# KiCad board F02-Func-Decoder-p.kicad_pcb (continued)
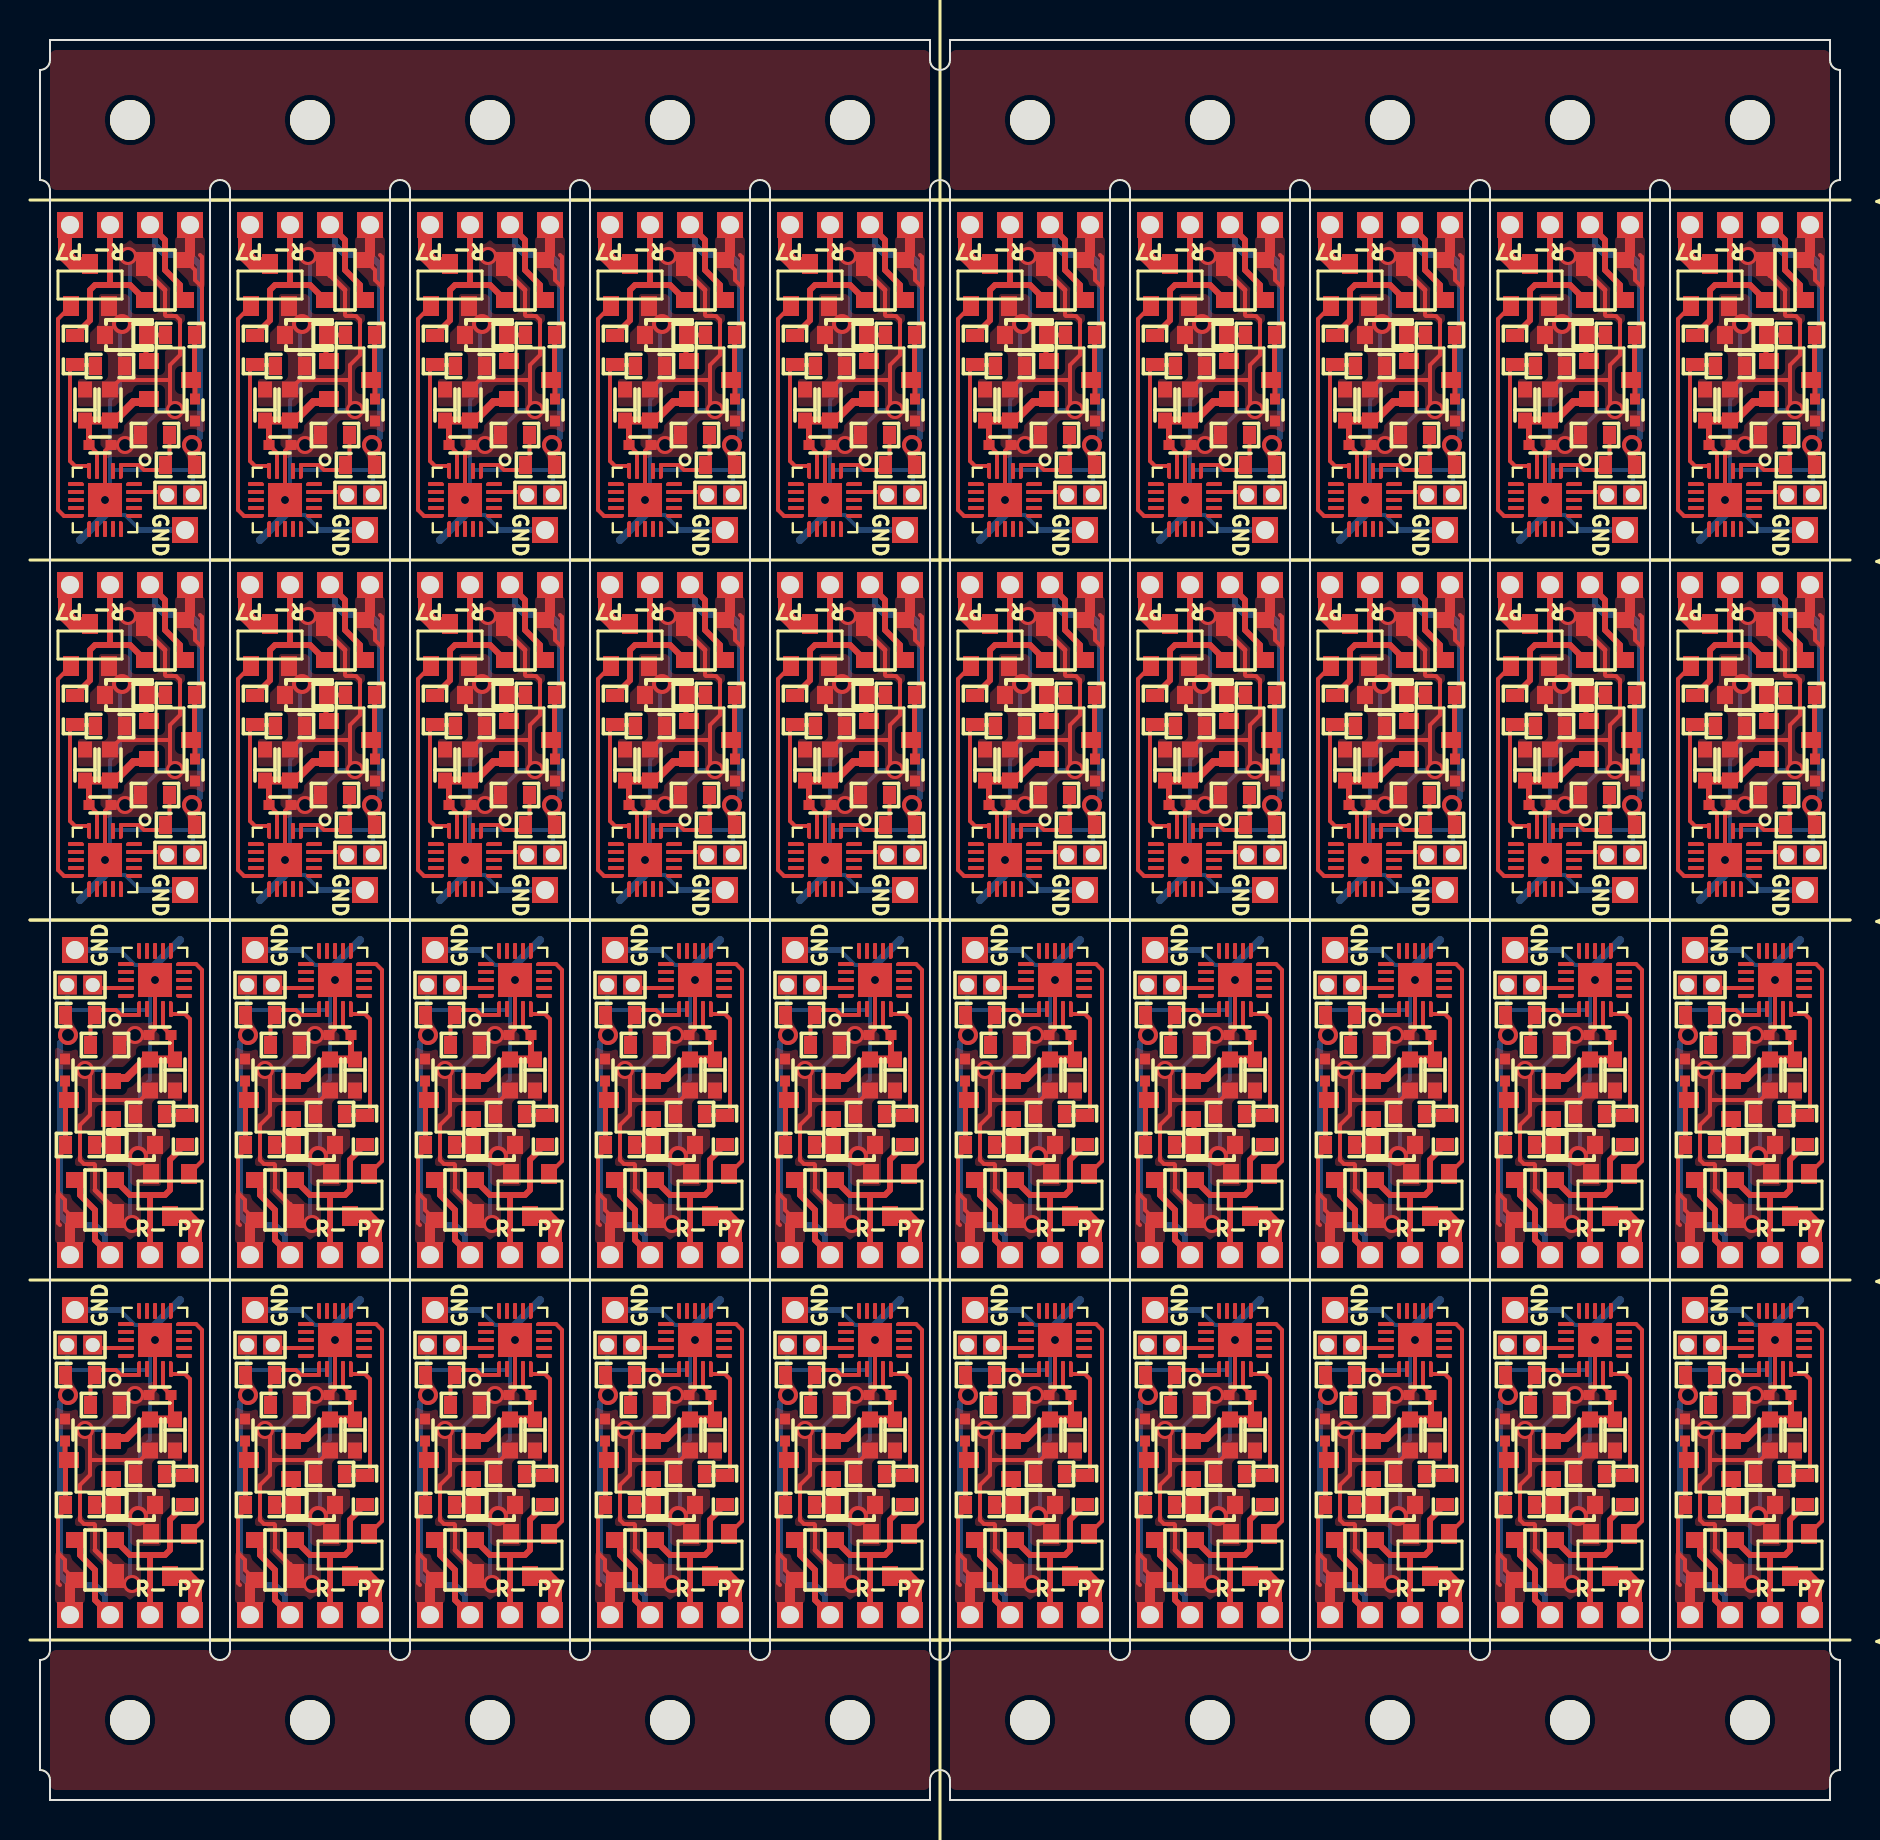
[diagram p0: board, top side]
## Placement (name value [footprint] x y rotation side) (continued)
P3#23  PAD  [PAD_1.3x1.3_Hole0.9]  19.5 27.25 270 top
P3#24  PAD  [PAD_1.3x1.3_Hole0.9]  64.5 9.25 270 top
P3#25  PAD  [PAD_1.3x1.3_Hole0.9]  88.5 60.75 90 top
P3#26  PAD  [PAD_1.3x1.3_Hole0.9]  73.5 9.25 270 top
P3#27  PAD  [PAD_1.3x1.3_Hole0.9]  55.5 27.25 270 top
P3#28  PAD  [PAD_1.3x1.3_Hole0.9]  70.5 78.75 90 top
P3#29  PAD  [PAD_1.3x1.3_Hole0.9]  1.5 9.25 270 top
P3#30  PAD  [PAD_1.3x1.3_Hole0.9]  46.5 9.25 270 top
P3#31  PAD  [PAD_1.3x1.3_Hole0.9]  1.5 27.25 270 top
P3#32  PAD  [PAD_1.3x1.3_Hole0.9]  61.5 60.75 90 top
P3#33  PAD  [PAD_1.3x1.3_Hole0.9]  88.5 78.75 90 top
P3#34  PAD  [PAD_1.3x1.3_Hole0.9]  61.5 78.75 90 top
P3#35  PAD  [PAD_1.3x1.3_Hole0.9]  25.5 78.75 90 top
P3#36  PAD  [PAD_1.3x1.3_Hole0.9]  25.5 60.75 90 top
P3#37  PAD  [PAD_1.3x1.3_Hole0.9]  19.5 9.25 270 top
P3#38  PAD  [PAD_1.3x1.3_Hole0.9]  34.5 78.75 90 top
P3#39  PAD  [PAD_1.3x1.3_Hole0.9]  52.5 78.75 90 top
P3#40  PAD  [PAD_1.3x1.3_Hole0.9]  55.5 9.25 270 top
P4  PAD  [PAD_1.3x1.3_Hole0.9]  19.75 42.5 90 top
P4#2  PAD  [PAD_1.3x1.3_Hole0.9]  37.75 24.5 90 top
P4#3  PAD  [PAD_1.3x1.3_Hole0.9]  16.25 45.5 270 top
P4#4  PAD  [PAD_1.3x1.3_Hole0.9]  61.25 63.5 270 top
P4#5  PAD  [PAD_1.3x1.3_Hole0.9]  82.75 24.5 90 top
P4#6  PAD  [PAD_1.3x1.3_Hole0.9]  70.25 63.5 270 top
P4#7  PAD  [PAD_1.3x1.3_Hole0.9]  79.25 63.5 270 top
P4#8  PAD  [PAD_1.3x1.3_Hole0.9]  43.25 63.5 270 top
P4#9  PAD  [PAD_1.3x1.3_Hole0.9]  19.75 24.5 90 top
P4#10  PAD  [PAD_1.3x1.3_Hole0.9]  10.75 24.5 90 top
P4#11  PAD  [PAD_1.3x1.3_Hole0.9]  46.75 42.5 90 top
P4#12  PAD  [PAD_1.3x1.3_Hole0.9]  82.75 42.5 90 top
P4#13  PAD  [PAD_1.3x1.3_Hole0.9]  61.25 45.5 270 top
P4#14  PAD  [PAD_1.3x1.3_Hole0.9]  28.75 42.5 90 top
P4#15  PAD  [PAD_1.3x1.3_Hole0.9]  88.25 63.5 270 top
P4#16  PAD  [PAD_1.3x1.3_Hole0.9]  25.25 45.5 270 top
P4#17  PAD  [PAD_1.3x1.3_Hole0.9]  73.75 42.5 90 top
P4#18  PAD  [PAD_1.3x1.3_Hole0.9]  52.25 63.5 270 top
P4#19  PAD  [PAD_1.3x1.3_Hole0.9]  55.75 24.5 90 top
P4#20  PAD  [PAD_1.3x1.3_Hole0.9]  25.25 63.5 270 top
P4#21  PAD  [PAD_1.3x1.3_Hole0.9]  43.25 45.5 270 top
P4#22  PAD  [PAD_1.3x1.3_Hole0.9]  7.25 63.5 270 top
P4#23  PAD  [PAD_1.3x1.3_Hole0.9]  28.75 24.5 90 top
P4#24  PAD  [PAD_1.3x1.3_Hole0.9]  10.75 42.5 90 top
P4#25  PAD  [PAD_1.3x1.3_Hole0.9]  46.75 24.5 90 top
P4#26  PAD  [PAD_1.3x1.3_Hole0.9]  7.25 45.5 270 top
P4#27  PAD  [PAD_1.3x1.3_Hole0.9]  1.75 42.5 90 top
P4#28  PAD  [PAD_1.3x1.3_Hole0.9]  88.25 45.5 270 top
P4#29  PAD  [PAD_1.3x1.3_Hole0.9]  70.25 45.5 270 top
P4#30  PAD  [PAD_1.3x1.3_Hole0.9]  16.25 63.5 270 top
P4#31  PAD  [PAD_1.3x1.3_Hole0.9]  73.75 24.5 90 top
P4#32  PAD  [PAD_1.3x1.3_Hole0.9]  37.75 42.5 90 top
P4#33  PAD  [PAD_1.3x1.3_Hole0.9]  64.75 42.5 90 top
P4#34  PAD  [PAD_1.3x1.3_Hole0.9]  34.25 45.5 270 top
P4#35  PAD  [PAD_1.3x1.3_Hole0.9]  34.25 63.5 270 top
P4#36  PAD  [PAD_1.3x1.3_Hole0.9]  55.75 42.5 90 top
P4#37  PAD  [PAD_1.3x1.3_Hole0.9]  52.25 45.5 270 top
P4#38  PAD  [PAD_1.3x1.3_Hole0.9]  1.75 24.5 90 top
P4#39  PAD  [PAD_1.3x1.3_Hole0.9]  79.25 45.5 270 top
P4#40  PAD  [PAD_1.3x1.3_Hole0.9]  64.75 24.5 90 top
P5  PROG  [PAD_PROG_2PIN_HOLE0.7]  83 40.75 180 top
P5#2  PROG  [PAD_PROG_2PIN_HOLE0.7]  47 40.75 180 top
P5#3  PROG  [PAD_PROG_2PIN_HOLE0.7]  16 47.25 0 top
P5#4  PROG  [PAD_PROG_2PIN_HOLE0.7]  25 47.25 0 top
P5#5  PROG  [PAD_PROG_2PIN_HOLE0.7]  2 40.75 180 top
P5#6  PROG  [PAD_PROG_2PIN_HOLE0.7]  74 22.75 180 top
P5#7  PROG  [PAD_PROG_2PIN_HOLE0.7]  56 40.75 180 top
P5#8  PROG  [PAD_PROG_2PIN_HOLE0.7]  34 65.25 0 top
P5#9  PROG  [PAD_PROG_2PIN_HOLE0.7]  11 22.75 180 top
P5#10  PROG  [PAD_PROG_2PIN_HOLE0.7]  38 40.75 180 top
P5#11  PROG  [PAD_PROG_2PIN_HOLE0.7]  11 40.75 180 top
P5#12  PROG  [PAD_PROG_2PIN_HOLE0.7]  25 65.25 0 top
P5#13  PROG  [PAD_PROG_2PIN_HOLE0.7]  16 65.25 0 top
P5#14  PROG  [PAD_PROG_2PIN_HOLE0.7]  38 22.75 180 top
P5#15  PROG  [PAD_PROG_2PIN_HOLE0.7]  52 65.25 0 top
P5#16  PROG  [PAD_PROG_2PIN_HOLE0.7]  88 65.25 0 top
P5#17  PROG  [PAD_PROG_2PIN_HOLE0.7]  20 22.75 180 top
P5#18  PROG  [PAD_PROG_2PIN_HOLE0.7]  52 47.25 0 top
P5#19  PROG  [PAD_PROG_2PIN_HOLE0.7]  65 22.75 180 top
P5#20  PROG  [PAD_PROG_2PIN_HOLE0.7]  79 47.25 0 top
P5#21  PROG  [PAD_PROG_2PIN_HOLE0.7]  7 65.25 0 top
P5#22  PROG  [PAD_PROG_2PIN_HOLE0.7]  61 47.25 0 top
P5#23  PROG  [PAD_PROG_2PIN_HOLE0.7]  83 22.75 180 top
P5#24  PROG  [PAD_PROG_2PIN_HOLE0.7]  56 22.75 180 top
P5#25  PROG  [PAD_PROG_2PIN_HOLE0.7]  43 65.25 0 top
P5#26  PROG  [PAD_PROG_2PIN_HOLE0.7]  34 47.25 0 top
P5#27  PROG  [PAD_PROG_2PIN_HOLE0.7]  65 40.75 180 top
P5#28  PROG  [PAD_PROG_2PIN_HOLE0.7]  61 65.25 0 top
P5#29  PROG  [PAD_PROG_2PIN_HOLE0.7]  79 65.25 0 top
P5#30  PROG  [PAD_PROG_2PIN_HOLE0.7]  29 40.75 180 top
P5#31  PROG  [PAD_PROG_2PIN_HOLE0.7]  20 40.75 180 top
P5#32  PROG  [PAD_PROG_2PIN_HOLE0.7]  88 47.25 0 top
P5#33  PROG  [PAD_PROG_2PIN_HOLE0.7]  74 40.75 180 top
P5#34  PROG  [PAD_PROG_2PIN_HOLE0.7]  7 47.25 0 top
P5#35  PROG  [PAD_PROG_2PIN_HOLE0.7]  70 65.25 0 top
P5#36  PROG  [PAD_PROG_2PIN_HOLE0.7]  47 22.75 180 top
P5#37  PROG  [PAD_PROG_2PIN_HOLE0.7]  2 22.75 180 top
P5#38  PROG  [PAD_PROG_2PIN_HOLE0.7]  70 47.25 0 top
P5#39  PROG  [PAD_PROG_2PIN_HOLE0.7]  29 22.75 180 top
P5#40  PROG  [PAD_PROG_2PIN_HOLE0.7]  43 47.25 0 top
Q1  2SC4116  [SOT-23]  74.5 17 90 top
Q1#2  2SC4116  [SOT-23]  69.5 53 270 top
Q1#3  2SC4116  [SOT-23]  20.5 35 90 top
Q1#4  2SC4116  [SOT-23]  65.5 17 90 top
Q1#5  2SC4116  [SOT-23]  15.5 53 270 top
Q1#6  2SC4116  [SOT-23]  60.5 53 270 top
Q1#7  2SC4116  [SOT-23]  11.5 35 90 top
Q1#8  2SC4116  [SOT-23]  15.5 71 270 top
Q1#9  2SC4116  [SOT-23]  78.5 71 270 top
Q1#10  2SC4116  [SOT-23]  74.5 35 90 top
Q1#11  2SC4116  [SOT-23]  2.5 35 90 top
Q1#12  2SC4116  [SOT-23]  47.5 17 90 top
Q1#13  2SC4116  [SOT-23]  11.5 17 90 top
Q1#14  2SC4116  [SOT-23]  56.5 35 90 top
Q1#15  2SC4116  [SOT-23]  38.5 35 90 top
Q1#16  2SC4116  [SOT-23]  42.5 53 270 top
Q1#17  2SC4116  [SOT-23]  33.5 71 270 top
Q1#18  2SC4116  [SOT-23]  56.5 17 90 top
Q1#19  2SC4116  [SOT-23]  42.5 71 270 top
Q1#20  2SC4116  [SOT-23]  87.5 71 270 top
Q1#21  2SC4116  [SOT-23]  47.5 35 90 top
Q1#22  2SC4116  [SOT-23]  29.5 17 90 top
Q1#23  2SC4116  [SOT-23]  33.5 53 270 top
Q1#24  2SC4116  [SOT-23]  24.5 53 270 top
Q1#25  2SC4116  [SOT-23]  69.5 71 270 top
Q1#26  2SC4116  [SOT-23]  78.5 53 270 top
Q1#27  2SC4116  [SOT-23]  2.5 17 90 top
Q1#28  2SC4116  [SOT-23]  87.5 53 270 top
Q1#29  2SC4116  [SOT-23]  83.5 35 90 top
Q1#30  2SC4116  [SOT-23]  29.5 35 90 top
Q1#31  2SC4116  [SOT-23]  51.5 53 270 top
Q1#32  2SC4116  [SOT-23]  65.5 35 90 top
Q1#33  2SC4116  [SOT-23]  38.5 17 90 top
Q1#34  2SC4116  [SOT-23]  60.5 71 270 top
Q1#35  2SC4116  [SOT-23]  83.5 17 90 top
Q1#36  2SC4116  [SOT-23]  20.5 17 90 top
Q1#37  2SC4116  [SOT-23]  6.5 71 270 top
Q1#38  2SC4116  [SOT-23]  24.5 71 270 top
Q1#39  2SC4116  [SOT-23]  6.5 53 270 top
Q1#40  2SC4116  [SOT-23]  51.5 71 270 top
Qe  SSM3K7002CFU  [SOT-23]  15.5 30.25 180 top
Qe#2  SSM3K7002CFU  [SOT-23]  65.5 75.75 0 top
Qe#3  SSM3K7002CFU  [SOT-23]  51.5 12.25 180 top
Qe#4  SSM3K7002CFU  [SOT-23]  33.5 12.25 180 top
Qe#5  SSM3K7002CFU  [SOT-23]  15.5 12.25 180 top
Qe#6  SSM3K7002CFU  [SOT-23]  69.5 30.25 180 top
Qe#7  SSM3K7002CFU  [SOT-23]  60.5 30.25 180 top
Qe#8  SSM3K7002CFU  [SOT-23]  29.5 57.75 0 top
Qe#9  SSM3K7002CFU  [SOT-23]  87.5 12.25 180 top
Qe#10  SSM3K7002CFU  [SOT-23]  11.5 75.75 0 top
Qe#11  SSM3K7002CFU  [SOT-23]  38.5 57.75 0 top
Qe#12  SSM3K7002CFU  [SOT-23]  74.5 75.75 0 top
Qe#13  SSM3K7002CFU  [SOT-23]  42.5 12.25 180 top
Qe#14  SSM3K7002CFU  [SOT-23]  11.5 57.75 0 top
Qe#15  SSM3K7002CFU  [SOT-23]  2.5 75.75 0 top
Qe#16  SSM3K7002CFU  [SOT-23]  78.5 30.25 180 top
Qe#17  SSM3K7002CFU  [SOT-23]  38.5 75.75 0 top
Qe#18  SSM3K7002CFU  [SOT-23]  24.5 12.25 180 top
Qe#19  SSM3K7002CFU  [SOT-23]  65.5 57.75 0 top
Qe#20  SSM3K7002CFU  [SOT-23]  20.5 75.75 0 top
Qe#21  SSM3K7002CFU  [SOT-23]  47.5 57.75 0 top
Qe#22  SSM3K7002CFU  [SOT-23]  42.5 30.25 180 top
Qe#23  SSM3K7002CFU  [SOT-23]  6.5 30.25 180 top
Qe#24  SSM3K7002CFU  [SOT-23]  20.5 57.75 0 top
Qe#25  SSM3K7002CFU  [SOT-23]  83.5 75.75 0 top
Qe#26  SSM3K7002CFU  [SOT-23]  83.5 57.75 0 top
Qe#27  SSM3K7002CFU  [SOT-23]  56.5 57.75 0 top
Qe#28  SSM3K7002CFU  [SOT-23]  87.5 30.25 180 top
Qe#29  SSM3K7002CFU  [SOT-23]  29.5 75.75 0 top
Qe#30  SSM3K7002CFU  [SOT-23]  69.5 12.25 180 top
Qe#31  SSM3K7002CFU  [SOT-23]  47.5 75.75 0 top
Qe#32  SSM3K7002CFU  [SOT-23]  2.5 57.75 0 top
Qe#33  SSM3K7002CFU  [SOT-23]  24.5 30.25 180 top
Qe#34  SSM3K7002CFU  [SOT-23]  6.5 12.25 180 top
Qe#35  SSM3K7002CFU  [SOT-23]  56.5 75.75 0 top
Qe#36  SSM3K7002CFU  [SOT-23]  78.5 12.25 180 top
Qe#37  SSM3K7002CFU  [SOT-23]  33.5 30.25 180 top
Qe#38  SSM3K7002CFU  [SOT-23]  74.5 57.75 0 top
Qe#39  SSM3K7002CFU  [SOT-23]  51.5 30.25 180 top
Qe#40  SSM3K7002CFU  [SOT-23]  60.5 12.25 180 top
R1  104  [R_1608_v3]  83 21.25 0 top
R1#2  104  [R_1608_v3]  38 21.25 0 top
R1#3  104  [R_1608_v3]  16 66.75 180 top
R1#4  104  [R_1608_v3]  25 48.75 180 top
R1#5  104  [R_1608_v3]  34 48.75 180 top
R1#6  104  [R_1608_v3]  56 21.25 0 top
R1#7  104  [R_1608_v3]  70 48.75 180 top
R1#8  104  [R_1608_v3]  11 21.25 0 top
R1#9  104  [R_1608_v3]  65 21.25 0 top
R1#10  104  [R_1608_v3]  70 66.75 180 top
R1#11  104  [R_1608_v3]  29 21.25 0 top
R1#12  104  [R_1608_v3]  65 39.25 0 top
R1#13  104  [R_1608_v3]  25 66.75 180 top
R1#14  104  [R_1608_v3]  38 39.25 0 top
R1#15  104  [R_1608_v3]  79 66.75 180 top
R1#16  104  [R_1608_v3]  74 39.25 0 top
R1#17  104  [R_1608_v3]  7 66.75 180 top
R1#18  104  [R_1608_v3]  43 66.75 180 top
R1#19  104  [R_1608_v3]  83 39.25 0 top
R1#20  104  [R_1608_v3]  52 48.75 180 top
R1#21  104  [R_1608_v3]  74 21.25 0 top
R1#22  104  [R_1608_v3]  79 48.75 180 top
R1#23  104  [R_1608_v3]  2 39.25 0 top
R1#24  104  [R_1608_v3]  52 66.75 180 top
R1#25  104  [R_1608_v3]  56 39.25 0 top
R1#26  104  [R_1608_v3]  61 66.75 180 top
R1#27  104  [R_1608_v3]  61 48.75 180 top
R1#28  104  [R_1608_v3]  88 66.75 180 top
R1#29  104  [R_1608_v3]  2 21.25 0 top
R1#30  104  [R_1608_v3]  47 21.25 0 top
R1#31  104  [R_1608_v3]  29 39.25 0 top
R1#32  104  [R_1608_v3]  47 39.25 0 top
R1#33  104  [R_1608_v3]  20 39.25 0 top
R1#34  104  [R_1608_v3]  88 48.75 180 top
R1#35  104  [R_1608_v3]  16 48.75 180 top
R1#36  104  [R_1608_v3]  11 39.25 0 top
R1#37  104  [R_1608_v3]  43 48.75 180 top
R1#38  104  [R_1608_v3]  20 21.25 0 top
R1#39  104  [R_1608_v3]  34 66.75 180 top
R1#40  104  [R_1608_v3]  7 48.75 180 top
R2  104  [R_1608_v3]  55.75 54.5 270 top
R2#2  104  [R_1608_v3]  16.25 33.5 90 top
R2#3  104  [R_1608_v3]  1.75 72.5 270 top
R2#4  104  [R_1608_v3]  88.25 15.5 90 top
R2#5  104  [R_1608_v3]  34.25 33.5 90 top
R2#6  104  [R_1608_v3]  64.75 54.5 270 top
R2#7  104  [R_1608_v3]  37.75 72.5 270 top
R2#8  104  [R_1608_v3]  52.25 15.5 90 top
R2#9  104  [R_1608_v3]  64.75 72.5 270 top
R2#10  104  [R_1608_v3]  46.75 72.5 270 top
R2#11  104  [R_1608_v3]  10.75 54.5 270 top
R2#12  104  [R_1608_v3]  52.25 33.5 90 top
R2#13  104  [R_1608_v3]  43.25 33.5 90 top
R2#14  104  [R_1608_v3]  61.25 15.5 90 top
R2#15  104  [R_1608_v3]  1.75 54.5 270 top
R2#16  104  [R_1608_v3]  7.25 15.5 90 top
R2#17  104  [R_1608_v3]  43.25 15.5 90 top
R2#18  104  [R_1608_v3]  28.75 72.5 270 top
R2#19  104  [R_1608_v3]  19.75 72.5 270 top
R2#20  104  [R_1608_v3]  79.25 15.5 90 top
R2#21  104  [R_1608_v3]  16.25 15.5 90 top
R2#22  104  [R_1608_v3]  46.75 54.5 270 top
R2#23  104  [R_1608_v3]  7.25 33.5 90 top
R2#24  104  [R_1608_v3]  34.25 15.5 90 top
R2#25  104  [R_1608_v3]  73.75 72.5 270 top
R2#26  104  [R_1608_v3]  73.75 54.5 270 top
R2#27  104  [R_1608_v3]  70.25 15.5 90 top
R2#28  104  [R_1608_v3]  55.75 72.5 270 top
R2#29  104  [R_1608_v3]  28.75 54.5 270 top
R2#30  104  [R_1608_v3]  25.25 15.5 90 top
R2#31  104  [R_1608_v3]  79.25 33.5 90 top
R2#32  104  [R_1608_v3]  19.75 54.5 270 top
R2#33  104  [R_1608_v3]  88.25 33.5 90 top
R2#34  104  [R_1608_v3]  25.25 33.5 90 top
R2#35  104  [R_1608_v3]  61.25 33.5 90 top
R2#36  104  [R_1608_v3]  82.75 72.5 270 top
R2#37  104  [R_1608_v3]  70.25 33.5 90 top
R2#38  104  [R_1608_v3]  37.75 54.5 270 top
R2#39  104  [R_1608_v3]  82.75 54.5 270 top
R2#40  104  [R_1608_v3]  10.75 72.5 270 top
R3  104  [R_1608_v3]  30.25 19.75 0 top
R3#2  104  [R_1608_v3]  86.75 50.25 180 top
R3#3  104  [R_1608_v3]  50.75 50.25 180 top
R3#4  104  [R_1608_v3]  21.25 37.75 0 top
R3#5  104  [R_1608_v3]  12.25 19.75 0 top
R3#6  104  [R_1608_v3]  68.75 68.25 180 top
R3#7  104  [R_1608_v3]  14.75 68.25 180 top
R3#8  104  [R_1608_v3]  75.25 37.75 0 top
R3#9  104  [R_1608_v3]  14.75 50.25 180 top
R3#10  104  [R_1608_v3]  57.25 19.75 0 top
R3#11  104  [R_1608_v3]  3.25 19.75 0 top
R3#12  104  [R_1608_v3]  59.75 68.25 180 top
R3#13  104  [R_1608_v3]  66.25 19.75 0 top
R3#14  104  [R_1608_v3]  32.75 50.25 180 top
R3#15  104  [R_1608_v3]  48.25 37.75 0 top
R3#16  104  [R_1608_v3]  23.75 68.25 180 top
R3#17  104  [R_1608_v3]  21.25 19.75 0 top
R3#18  104  [R_1608_v3]  68.75 50.25 180 top
R3#19  104  [R_1608_v3]  41.75 50.25 180 top
R3#20  104  [R_1608_v3]  75.25 19.75 0 top
R3#21  104  [R_1608_v3]  5.75 50.25 180 top
R3#22  104  [R_1608_v3]  77.75 68.25 180 top
R3#23  104  [R_1608_v3]  77.75 50.25 180 top
R3#24  104  [R_1608_v3]  5.75 68.25 180 top
R3#25  104  [R_1608_v3]  12.25 37.75 0 top
R3#26  104  [R_1608_v3]  84.25 37.75 0 top
R3#27  104  [R_1608_v3]  39.25 37.75 0 top
R3#28  104  [R_1608_v3]  50.75 68.25 180 top
R3#29  104  [R_1608_v3]  66.25 37.75 0 top
R3#30  104  [R_1608_v3]  86.75 68.25 180 top
R3#31  104  [R_1608_v3]  3.25 37.75 0 top
R3#32  104  [R_1608_v3]  23.75 50.25 180 top
R3#33  104  [R_1608_v3]  41.75 68.25 180 top
R3#34  104  [R_1608_v3]  48.25 19.75 0 top
R3#35  104  [R_1608_v3]  57.25 37.75 0 top
R3#36  104  [R_1608_v3]  59.75 50.25 180 top
R3#37  104  [R_1608_v3]  39.25 19.75 0 top
R3#38  104  [R_1608_v3]  32.75 68.25 180 top
R3#39  104  [R_1608_v3]  84.25 19.75 0 top
R3#40  104  [R_1608_v3]  30.25 37.75 0 top
R4  104  [R_1608_v3]  59.5 34.3 180 top
R4#2  104  [R_1608_v3]  12.5 53.7 0 top
R4#3  104  [R_1608_v3]  21.5 71.7 0 top
R4#4  104  [R_1608_v3]  32.5 16.3 180 top
R4#5  104  [R_1608_v3]  30.5 71.7 0 top
R4#6  104  [R_1608_v3]  5.5 16.3 180 top
R4#7  104  [R_1608_v3]  32.5 34.3 180 top
R4#8  104  [R_1608_v3]  30.5 53.7 0 top
R4#9  104  [R_1608_v3]  3.5 53.7 0 top
R4#10  104  [R_1608_v3]  57.5 71.7 0 top
R4#11  104  [R_1608_v3]  12.5 71.7 0 top
R4#12  104  [R_1608_v3]  66.5 71.7 0 top
R4#13  104  [R_1608_v3]  59.5 16.3 180 top
R4#14  104  [R_1608_v3]  57.5 53.7 0 top
R4#15  104  [R_1608_v3]  14.5 16.3 180 top
R4#16  104  [R_1608_v3]  21.5 53.7 0 top
R4#17  104  [R_1608_v3]  48.5 71.7 0 top
R4#18  104  [R_1608_v3]  86.5 34.3 180 top
R4#19  104  [R_1608_v3]  23.5 34.3 180 top
R4#20  104  [R_1608_v3]  5.5 34.3 180 top
R4#21  104  [R_1608_v3]  84.5 53.7 0 top
R4#22  104  [R_1608_v3]  75.5 53.7 0 top
R4#23  104  [R_1608_v3]  66.5 53.7 0 top
R4#24  104  [R_1608_v3]  68.5 34.3 180 top
R4#25  104  [R_1608_v3]  39.5 53.7 0 top
R4#26  104  [R_1608_v3]  75.5 71.7 0 top
R4#27  104  [R_1608_v3]  23.5 16.3 180 top
R4#28  104  [R_1608_v3]  14.5 34.3 180 top
R4#29  104  [R_1608_v3]  3.5 71.7 0 top
R4#30  104  [R_1608_v3]  50.5 34.3 180 top
R4#31  104  [R_1608_v3]  41.5 16.3 180 top
R4#32  104  [R_1608_v3]  41.5 34.3 180 top
R4#33  104  [R_1608_v3]  39.5 71.7 0 top
R4#34  104  [R_1608_v3]  77.5 34.3 180 top
R4#35  104  [R_1608_v3]  84.5 71.7 0 top
R4#36  104  [R_1608_v3]  77.5 16.3 180 top
R4#37  104  [R_1608_v3]  86.5 16.3 180 top
R4#38  104  [R_1608_v3]  50.5 16.3 180 top
R4#39  104  [R_1608_v3]  68.5 16.3 180 top
R4#40  104  [R_1608_v3]  48.5 53.7 0 top
R5  472  [R_1608_v3]  2 32.75 0 top
R5#2  472  [R_1608_v3]  47 32.75 0 top
R5#3  472  [R_1608_v3]  11 32.75 0 top
R5#4  472  [R_1608_v3]  88 55.25 180 top
R5#5  472  [R_1608_v3]  65 32.75 0 top
R5#6  472  [R_1608_v3]  70 73.25 180 top
R5#7  472  [R_1608_v3]  29 32.75 0 top
R5#8  472  [R_1608_v3]  56 32.75 0 top
R5#9  472  [R_1608_v3]  25 73.25 180 top
R5#10  472  [R_1608_v3]  52 55.25 180 top
R5#11  472  [R_1608_v3]  38 14.75 0 top
R5#12  472  [R_1608_v3]  34 55.25 180 top
R5#13  472  [R_1608_v3]  7 73.25 180 top
R5#14  472  [R_1608_v3]  88 73.25 180 top
R5#15  472  [R_1608_v3]  74 32.75 0 top
R5#16  472  [R_1608_v3]  61 73.25 180 top
R5#17  472  [R_1608_v3]  16 73.25 180 top
R5#18  472  [R_1608_v3]  56 14.75 0 top
R5#19  472  [R_1608_v3]  83 14.75 0 top
R5#20  472  [R_1608_v3]  43 55.25 180 top
R5#21  472  [R_1608_v3]  11 14.75 0 top
R5#22  472  [R_1608_v3]  79 55.25 180 top
R5#23  472  [R_1608_v3]  43 73.25 180 top
R5#24  472  [R_1608_v3]  29 14.75 0 top
R5#25  472  [R_1608_v3]  70 55.25 180 top
R5#26  472  [R_1608_v3]  74 14.75 0 top
R5#27  472  [R_1608_v3]  65 14.75 0 top
R5#28  472  [R_1608_v3]  16 55.25 180 top
R5#29  472  [R_1608_v3]  2 14.75 0 top
R5#30  472  [R_1608_v3]  20 14.75 0 top
R5#31  472  [R_1608_v3]  38 32.75 0 top
R5#32  472  [R_1608_v3]  83 32.75 0 top
R5#33  472  [R_1608_v3]  79 73.25 180 top
R5#34  472  [R_1608_v3]  52 73.25 180 top
R5#35  472  [R_1608_v3]  20 32.75 0 top
R5#36  472  [R_1608_v3]  34 73.25 180 top
R5#37  472  [R_1608_v3]  7 55.25 180 top
R5#38  472  [R_1608_v3]  25 55.25 180 top
R5#39  472  [R_1608_v3]  61 55.25 180 top
R5#40  472  [R_1608_v3]  47 14.75 0 top
REF**  -  [HOLE_MASK_LOCK]  49.5 4 90 top
REF**#2  -  [HOLE_MASK_LOCK]  49.5 84 270 top
REF**#3  -  [HOLE_MASK_LOCK]  58.5 84 270 top
REF**#4  -  [HOLE_MASK_LOCK]  22.5 4 90 top
REF**#5  -  [HOLE_MASK_LOCK]  13.5 4 90 top
REF**#6  -  [HOLE_MASK_LOCK]  13.5 84 270 top
REF**#7  -  [HOLE_MASK_LOCK]  76.5 4 90 top
REF**#8  -  [HOLE_MASK_LOCK]  67.5 84 270 top
REF**#9  -  [HOLE_MASK_LOCK]  85.5 4 90 top
REF**#10  -  [HOLE_MASK_LOCK]  22.5 84 270 top
REF**#11  -  [HOLE_MASK_LOCK]  67.5 4 90 top
REF**#12  -  [HOLE_MASK_LOCK]  31.5 4 90 top
REF**#13  -  [HOLE_MASK_LOCK]  4.5 4 90 top
REF**#14  -  [HOLE_MASK_LOCK]  76.5 84 270 top
REF**#15  -  [HOLE_MASK_LOCK]  4.5 84 270 top
REF**#16  -  [HOLE_MASK_LOCK]  40.5 84 270 top
REF**#17  -  [HOLE_MASK_LOCK]  31.5 84 270 top
REF**#18  -  [HOLE_MASK_LOCK]  85.5 84 270 top
REF**#19  -  [HOLE_MASK_LOCK]  40.5 4 90 top
REF**#20  -  [HOLE_MASK_LOCK]  58.5 4 90 top
U1  ATtiny1606-M  [VQFN-20-1EP_3x3mm_P0.4mm_EP1.7x1.7mm]  75.25 47 270 top
U1#2  ATtiny1606-M  [VQFN-20-1EP_3x3mm_P0.4mm_EP1.7x1.7mm]  86.75 23 90 top
U1#3  ATtiny1606-M  [VQFN-20-1EP_3x3mm_P0.4mm_EP1.7x1.7mm]  50.75 23 90 top
U1#4  ATtiny1606-M  [VQFN-20-1EP_3x3mm_P0.4mm_EP1.7x1.7mm]  14.75 41 90 top
U1#5  ATtiny1606-M  [VQFN-20-1EP_3x3mm_P0.4mm_EP1.7x1.7mm]  30.25 65 270 top
U1#6  ATtiny1606-M  [VQFN-20-1EP_3x3mm_P0.4mm_EP1.7x1.7mm]  41.75 41 90 top
U1#7  ATtiny1606-M  [VQFN-20-1EP_3x3mm_P0.4mm_EP1.7x1.7mm]  77.75 23 90 top
U1#8  ATtiny1606-M  [VQFN-20-1EP_3x3mm_P0.4mm_EP1.7x1.7mm]  59.75 41 90 top
U1#9  ATtiny1606-M  [VQFN-20-1EP_3x3mm_P0.4mm_EP1.7x1.7mm]  39.25 47 270 top
U1#10  ATtiny1606-M  [VQFN-20-1EP_3x3mm_P0.4mm_EP1.7x1.7mm]  32.75 23 90 top
U1#11  ATtiny1606-M  [VQFN-20-1EP_3x3mm_P0.4mm_EP1.7x1.7mm]  84.25 47 270 top
U1#12  ATtiny1606-M  [VQFN-20-1EP_3x3mm_P0.4mm_EP1.7x1.7mm]  12.25 47 270 top
U1#13  ATtiny1606-M  [VQFN-20-1EP_3x3mm_P0.4mm_EP1.7x1.7mm]  41.75 23 90 top
U1#14  ATtiny1606-M  [VQFN-20-1EP_3x3mm_P0.4mm_EP1.7x1.7mm]  12.25 65 270 top
U1#15  ATtiny1606-M  [VQFN-20-1EP_3x3mm_P0.4mm_EP1.7x1.7mm]  21.25 65 270 top
U1#16  ATtiny1606-M  [VQFN-20-1EP_3x3mm_P0.4mm_EP1.7x1.7mm]  39.25 65 270 top
U1#17  ATtiny1606-M  [VQFN-20-1EP_3x3mm_P0.4mm_EP1.7x1.7mm]  77.75 41 90 top
U1#18  ATtiny1606-M  [VQFN-20-1EP_3x3mm_P0.4mm_EP1.7x1.7mm]  57.25 65 270 top
U1#19  ATtiny1606-M  [VQFN-20-1EP_3x3mm_P0.4mm_EP1.7x1.7mm]  66.25 65 270 top
U1#20  ATtiny1606-M  [VQFN-20-1EP_3x3mm_P0.4mm_EP1.7x1.7mm]  59.75 23 90 top
U1#21  ATtiny1606-M  [VQFN-20-1EP_3x3mm_P0.4mm_EP1.7x1.7mm]  57.25 47 270 top
U1#22  ATtiny1606-M  [VQFN-20-1EP_3x3mm_P0.4mm_EP1.7x1.7mm]  23.75 41 90 top
U1#23  ATtiny1606-M  [VQFN-20-1EP_3x3mm_P0.4mm_EP1.7x1.7mm]  68.75 41 90 top
U1#24  ATtiny1606-M  [VQFN-20-1EP_3x3mm_P0.4mm_EP1.7x1.7mm]  5.75 41 90 top
U1#25  ATtiny1606-M  [VQFN-20-1EP_3x3mm_P0.4mm_EP1.7x1.7mm]  21.25 47 270 top
U1#26  ATtiny1606-M  [VQFN-20-1EP_3x3mm_P0.4mm_EP1.7x1.7mm]  3.25 65 270 top
U1#27  ATtiny1606-M  [VQFN-20-1EP_3x3mm_P0.4mm_EP1.7x1.7mm]  5.75 23 90 top
U1#28  ATtiny1606-M  [VQFN-20-1EP_3x3mm_P0.4mm_EP1.7x1.7mm]  48.25 65 270 top
U1#29  ATtiny1606-M  [VQFN-20-1EP_3x3mm_P0.4mm_EP1.7x1.7mm]  84.25 65 270 top
U1#30  ATtiny1606-M  [VQFN-20-1EP_3x3mm_P0.4mm_EP1.7x1.7mm]  14.75 23 90 top
U1#31  ATtiny1606-M  [VQFN-20-1EP_3x3mm_P0.4mm_EP1.7x1.7mm]  30.25 47 270 top
U1#32  ATtiny1606-M  [VQFN-20-1EP_3x3mm_P0.4mm_EP1.7x1.7mm]  48.25 47 270 top
U1#33  ATtiny1606-M  [VQFN-20-1EP_3x3mm_P0.4mm_EP1.7x1.7mm]  68.75 23 90 top
U1#34  ATtiny1606-M  [VQFN-20-1EP_3x3mm_P0.4mm_EP1.7x1.7mm]  75.25 65 270 top
U1#35  ATtiny1606-M  [VQFN-20-1EP_3x3mm_P0.4mm_EP1.7x1.7mm]  3.25 47 270 top
U1#36  ATtiny1606-M  [VQFN-20-1EP_3x3mm_P0.4mm_EP1.7x1.7mm]  23.75 23 90 top
U1#37  ATtiny1606-M  [VQFN-20-1EP_3x3mm_P0.4mm_EP1.7x1.7mm]  32.75 41 90 top
U1#38  ATtiny1606-M  [VQFN-20-1EP_3x3mm_P0.4mm_EP1.7x1.7mm]  50.75 41 90 top
U1#39  ATtiny1606-M  [VQFN-20-1EP_3x3mm_P0.4mm_EP1.7x1.7mm]  86.75 41 90 top
U1#40  ATtiny1606-M  [VQFN-20-1EP_3x3mm_P0.4mm_EP1.7x1.7mm]  66.25 47 270 top

## Library data of the parts
C1 C1#2-C1#40 C2 C2#2-C2#40 C3 C3#2-C3#40 = -: Description: Unpolarized capacitor
D1 D1#2-D1#40 = -: Description: Diode bridge, -ve/AC/AC/+ve
D2 D2#2-D2#40 = -: Description: Zener diode
J1 J1#2-J1#40 P1 P1#2-P1#40 P2 P2#2-P2#40 P3 P3#2-P3#40 P4 P4#2-P4#40 = -: Description: Generic connector, single row, 01x01, script generated (kicad-library-utils/schlib/autogen/connector/)
P5 P5#2-P5#40 = -: Description: Generic connector, single row, 01x02, script generated (kicad-library-utils/schlib/autogen/connector/)
Q1 Q1#2-Q1#40 = -: Description: NPN transistor, base/emitter/collector
Qe Qe#2-Qe#40 = -: Description: N-MOSFET transistor, gate/source/drain
R1 R1#2-R1#40 R2 R2#2-R2#40 R3 R3#2-R3#40 R4 R4#2-R4#40 R5 R5#2-R5#40 = -: Description: Resistor
U1 U1#2-U1#40 = -: Description: 20MHz, 16kB Flash, 1kB SRAM, 256B EEPROM, VQFN-20

## Footprints (pads in the part's own frame, mm; a bottom-side part is the same pattern mirrored in y, then rotated)
C_1005_v2
  rect 0.55x0.5 smd: 1(-0.55,0) 2(0.55,0)
C_1608
  rect 0.8x0.8 smd: 1(-0.775,0) 2(0.775,0)
CP_1608
  rect 0.8x0.7 smd: 1(-0.775,0) 2(0.775,0)
HOLE_MASK_LOCK
  round 2 hole 2 unplated: (0,0)
PAD_1.3x1.3_Hole0.9
  rect 1.3x1.3 hole 0.9: 1(0,0)
PAD_PROG_2PIN_HOLE0.7
  rect 0.95x0.95 hole 0.7: 1(-0.635,0) 2(0.635,0)
R_1608_v3
  rect 0.65x0.9 smd: 1(-0.725,0) 2(0.725,0)
SOT-23
  rect 0.8x1 smd: 1(-0.95,-1.05) 2(0.95,-1.05) 3(0,1.05)
SOT-143
  rect 1.2x0.9 smd: 1(-0.8,-1)
  rect 0.8x0.9 smd: 2(1,-1) 3(1,1) 4(-1,1)
UMD2
  rect 0.8x0.9 smd: 1(1.05,0) 2(-1.05,0)
VQFN-20-1EP_3x3mm_P0.4mm_EP1.7x1.7mm
  rrect 0.69x0.69 smd: (-0.425,0.425) (-0.425,-0.425) (0.425,0.425) (0.425,-0.425)
  custom 0.8x0.2 smd: 1(-1.45,0.8) 5(-1.45,-0.8) 11(1.45,-0.8) 15(1.45,0.8)
  rrect 0.8x0.2 smd: 2(-1.45,0.4) 3(-1.45,0) 4(-1.45,-0.4) 12(1.45,-0.4) 13(1.45,0) 14(1.45,0.4)
  custom 0.2x0.8 smd: 6(-0.8,-1.45) 10(0.8,-1.45) 16(0.8,1.45) 20(-0.8,1.45)
  rrect 0.2x0.8 smd: 7(-0.4,-1.45) 8(0,-1.45) 9(0.4,-1.45) 17(0.4,1.45) 18(0,1.45) 19(-0.4,1.45)
  rect 1.7x1.7 smd: 21(0,0)

## Nets
+5V: C1.1 C1#2.1 C1#3.1 C1#4.1 C1#5.1 C1#6.1 C1#7.1 C1#8.1 C1#9.1 C1#10.1 C1#11.1 C1#12.1 C1#13.1 C1#14.1 C1#15.1 C1#16.1 C1#17.1 C1#18.1 C1#19.1 C1#20.1 C1#21.1 C1#22.1 C1#23.1 C1#24.1 C1#25.1 C1#26.1 C1#27.1 C1#28.1 C1#29.1 C1#30.1 C1#31.1 C1#32.1 C1#33.1 C1#34.1 C1#35.1 C1#36.1 C1#37.1 C1#38.1 C1#39.1 C1#40.1 C3.1 C3#2.1 C3#3.1 C3#4.1 C3#5.1 C3#6.1 C3#7.1 C3#8.1 C3#9.1 C3#10.1 C3#11.1 C3#12.1 C3#13.1 C3#14.1 C3#15.1 C3#16.1 C3#17.1 C3#18.1 C3#19.1 C3#20.1 C3#21.1 C3#22.1 C3#23.1 C3#24.1 C3#25.1 C3#26.1 C3#27.1 C3#28.1 C3#29.1 C3#30.1 C3#31.1 C3#32.1 C3#33.1 C3#34.1 C3#35.1 C3#36.1 C3#37.1 C3#38.1 C3#39.1 C3#40.1 C4.1 C4#2.1 C4#3.1 C4#4.1 C4#5.1 C4#6.1 C4#7.1 C4#8.1 C4#9.1 C4#10.1 C4#11.1 C4#12.1 C4#13.1 C4#14.1 C4#15.1 C4#16.1 C4#17.1 C4#18.1 C4#19.1 C4#20.1 C4#21.1 C4#22.1 C4#23.1 C4#24.1 C4#25.1 C4#26.1 C4#27.1 C4#28.1 C4#29.1 C4#30.1 C4#31.1 C4#32.1 C4#33.1 C4#34.1 C4#35.1 C4#36.1 C4#37.1 C4#38.1 C4#39.1 C4#40.1 Q1.2 Q1#2.2 Q1#3.2 Q1#4.2 Q1#5.2 Q1#6.2 Q1#7.2 Q1#8.2 Q1#9.2 Q1#10.2 Q1#11.2 Q1#12.2 Q1#13.2 Q1#14.2 Q1#15.2 Q1#16.2 Q1#17.2 Q1#18.2 Q1#19.2 Q1#20.2 Q1#21.2 Q1#22.2 Q1#23.2 Q1#24.2 Q1#25.2 Q1#26.2 Q1#27.2 Q1#28.2 Q1#29.2 Q1#30.2 Q1#31.2 Q1#32.2 Q1#33.2 Q1#34.2 Q1#35.2 Q1#36.2 Q1#37.2 Q1#38.2 Q1#39.2 Q1#40.2 U1.4 U1#2.4 U1#3.4 U1#4.4 U1#5.4 U1#6.4 U1#7.4 U1#8.4 U1#9.4 U1#10.4 U1#11.4 U1#12.4 U1#13.4 U1#14.4 U1#15.4 U1#16.4 U1#17.4 U1#18.4 U1#19.4 U1#20.4 U1#21.4 U1#22.4 U1#23.4 U1#24.4 U1#25.4 U1#26.4 U1#27.4 U1#28.4 U1#29.4 U1#30.4 U1#31.4 U1#32.4 U1#33.4 U1#34.4 U1#35.4 U1#36.4 U1#37.4 U1#38.4 U1#39.4 U1#40.4
+12V: C2.1 C2#2.1 C2#3.1 C2#4.1 C2#5.1 C2#6.1 C2#7.1 C2#8.1 C2#9.1 C2#10.1 C2#11.1 C2#12.1 C2#13.1 C2#14.1 C2#15.1 C2#16.1 C2#17.1 C2#18.1 C2#19.1 C2#20.1 C2#21.1 C2#22.1 C2#23.1 C2#24.1 C2#25.1 C2#26.1 C2#27.1 C2#28.1 C2#29.1 C2#30.1 C2#31.1 C2#32.1 C2#33.1 C2#34.1 C2#35.1 C2#36.1 C2#37.1 C2#38.1 C2#39.1 C2#40.1 D1.4 D1#2.4 D1#3.4 D1#4.4 D1#5.4 D1#6.4 D1#7.4 D1#8.4 D1#9.4 D1#10.4 D1#11.4 D1#12.4 D1#13.4 D1#14.4 D1#15.4 D1#16.4 D1#17.4 D1#18.4 D1#19.4 D1#20.4 D1#21.4 D1#22.4 D1#23.4 D1#24.4 D1#25.4 D1#26.4 D1#27.4 D1#28.4 D1#29.4 D1#30.4 D1#31.4 D1#32.4 D1#33.4 D1#34.4 D1#35.4 D1#36.4 D1#37.4 D1#38.4 D1#39.4 D1#40.4 P3.1 P3#2.1 P3#3.1 P3#4.1 P3#5.1 P3#6.1 P3#7.1 P3#8.1 P3#9.1 P3#10.1 P3#11.1 P3#12.1 P3#13.1 P3#14.1 P3#15.1 P3#16.1 P3#17.1 P3#18.1 P3#19.1 P3#20.1 P3#21.1 P3#22.1 P3#23.1 P3#24.1 P3#25.1 P3#26.1 P3#27.1 P3#28.1 P3#29.1 P3#30.1 P3#31.1 P3#32.1 P3#33.1 P3#34.1 P3#35.1 P3#36.1 P3#37.1 P3#38.1 P3#39.1 P3#40.1 Q1.3 Q1#2.3 Q1#3.3 Q1#4.3 Q1#5.3 Q1#6.3 Q1#7.3 Q1#8.3 Q1#9.3 Q1#10.3 Q1#11.3 Q1#12.3 Q1#13.3 Q1#14.3 Q1#15.3 Q1#16.3 Q1#17.3 Q1#18.3 Q1#19.3 Q1#20.3 Q1#21.3 Q1#22.3 Q1#23.3 Q1#24.3 Q1#25.3 Q1#26.3 Q1#27.3 Q1#28.3 Q1#29.3 Q1#30.3 Q1#31.3 Q1#32.3 Q1#33.3 Q1#34.3 Q1#35.3 Q1#36.3 Q1#37.3 Q1#38.3 Q1#39.3 Q1#40.3 R5.1 R5#2.1 R5#3.1 R5#4.1 R5#5.1 R5#6.1 R5#7.1 R5#8.1 R5#9.1 R5#10.1 R5#11.1 R5#12.1 R5#13.1 R5#14.1 R5#15.1 R5#16.1 R5#17.1 R5#18.1 R5#19.1 R5#20.1 R5#21.1 R5#22.1 R5#23.1 R5#24.1 R5#25.1 R5#26.1 R5#27.1 R5#28.1 R5#29.1 R5#30.1 R5#31.1 R5#32.1 R5#33.1 R5#34.1 R5#35.1 R5#36.1 R5#37.1 R5#38.1 R5#39.1 R5#40.1
GND: C1.2 C1#2.2 C1#3.2 C1#4.2 C1#5.2 C1#6.2 C1#7.2 C1#8.2 C1#9.2 C1#10.2 C1#11.2 C1#12.2 C1#13.2 C1#14.2 C1#15.2 C1#16.2 C1#17.2 C1#18.2 C1#19.2 C1#20.2 C1#21.2 C1#22.2 C1#23.2 C1#24.2 C1#25.2 C1#26.2 C1#27.2 C1#28.2 C1#29.2 C1#30.2 C1#31.2 C1#32.2 C1#33.2 C1#34.2 C1#35.2 C1#36.2 C1#37.2 C1#38.2 C1#39.2 C1#40.2 C2.2 C2#2.2 C2#3.2 C2#4.2 C2#5.2 C2#6.2 C2#7.2 C2#8.2 C2#9.2 C2#10.2 C2#11.2 C2#12.2 C2#13.2 C2#14.2 C2#15.2 C2#16.2 C2#17.2 C2#18.2 C2#19.2 C2#20.2 C2#21.2 C2#22.2 C2#23.2 C2#24.2 C2#25.2 C2#26.2 C2#27.2 C2#28.2 C2#29.2 C2#30.2 C2#31.2 C2#32.2 C2#33.2 C2#34.2 C2#35.2 C2#36.2 C2#37.2 C2#38.2 C2#39.2 C2#40.2 C3.2 C3#2.2 C3#3.2 C3#4.2 C3#5.2 C3#6.2 C3#7.2 C3#8.2 C3#9.2 C3#10.2 C3#11.2 C3#12.2 C3#13.2 C3#14.2 C3#15.2 C3#16.2 C3#17.2 C3#18.2 C3#19.2 C3#20.2 C3#21.2 C3#22.2 C3#23.2 C3#24.2 C3#25.2 C3#26.2 C3#27.2 C3#28.2 C3#29.2 C3#30.2 C3#31.2 C3#32.2 C3#33.2 C3#34.2 C3#35.2 C3#36.2 C3#37.2 C3#38.2 C3#39.2 C3#40.2 C4.2 C4#2.2 C4#3.2 C4#4.2 C4#5.2 C4#6.2 C4#7.2 C4#8.2 C4#9.2 C4#10.2 C4#11.2 C4#12.2 C4#13.2 C4#14.2 C4#15.2 C4#16.2 C4#17.2 C4#18.2 C4#19.2 C4#20.2 C4#21.2 C4#22.2 C4#23.2 C4#24.2 C4#25.2 C4#26.2 C4#27.2 C4#28.2 C4#29.2 C4#30.2 C4#31.2 C4#32.2 C4#33.2 C4#34.2 C4#35.2 C4#36.2 C4#37.2 C4#38.2 C4#39.2 C4#40.2 D1.1 D1#2.1 D1#3.1 D1#4.1 D1#5.1 D1#6.1 D1#7.1 D1#8.1 D1#9.1 D1#10.1 D1#11.1 D1#12.1 D1#13.1 D1#14.1 D1#15.1 D1#16.1 D1#17.1 D1#18.1 D1#19.1 D1#20.1 D1#21.1 D1#22.1 D1#23.1 D1#24.1 D1#25.1 D1#26.1 D1#27.1 D1#28.1 D1#29.1 D1#30.1 D1#31.1 D1#32.1 D1#33.1 D1#34.1 D1#35.1 D1#36.1 D1#37.1 D1#38.1 D1#39.1 D1#40.1 D2.2 D2#2.2 D2#3.2 D2#4.2 D2#5.2 D2#6.2 D2#7.2 D2#8.2 D2#9.2 D2#10.2 D2#11.2 D2#12.2 D2#13.2 D2#14.2 D2#15.2 D2#16.2 D2#17.2 D2#18.2 D2#19.2 D2#20.2 D2#21.2 D2#22.2 D2#23.2 D2#24.2 D2#25.2 D2#26.2 D2#27.2 D2#28.2 D2#29.2 D2#30.2 D2#31.2 D2#32.2 D2#33.2 D2#34.2 D2#35.2 D2#36.2 D2#37.2 D2#38.2 D2#39.2 D2#40.2 P4.1 P4#2.1 P4#3.1 P4#4.1 P4#5.1 P4#6.1 P4#7.1 P4#8.1 P4#9.1 P4#10.1 P4#11.1 P4#12.1 P4#13.1 P4#14.1 P4#15.1 P4#16.1 P4#17.1 P4#18.1 P4#19.1 P4#20.1 P4#21.1 P4#22.1 P4#23.1 P4#24.1 P4#25.1 P4#26.1 P4#27.1 P4#28.1 P4#29.1 P4#30.1 P4#31.1 P4#32.1 P4#33.1 P4#34.1 P4#35.1 P4#36.1 P4#37.1 P4#38.1 P4#39.1 P4#40.1 P5.2 P5#2.2 P5#3.2 P5#4.2 P5#5.2 P5#6.2 P5#7.2 P5#8.2 P5#9.2 P5#10.2 P5#11.2 P5#12.2 P5#13.2 P5#14.2 P5#15.2 P5#16.2 P5#17.2 P5#18.2 P5#19.2 P5#20.2 P5#21.2 P5#22.2 P5#23.2 P5#24.2 P5#25.2 P5#26.2 P5#27.2 P5#28.2 P5#29.2 P5#30.2 P5#31.2 P5#32.2 P5#33.2 P5#34.2 P5#35.2 P5#36.2 P5#37.2 P5#38.2 P5#39.2 P5#40.2 Qe.2 Qe#2.2 Qe#3.2 Qe#4.2 Qe#5.2 Qe#6.2 Qe#7.2 Qe#8.2 Qe#9.2 Qe#10.2 Qe#11.2 Qe#12.2 Qe#13.2 Qe#14.2 Qe#15.2 Qe#16.2 Qe#17.2 Qe#18.2 Qe#19.2 Qe#20.2 Qe#21.2 Qe#22.2 Qe#23.2 Qe#24.2 Qe#25.2 Qe#26.2 Qe#27.2 Qe#28.2 Qe#29.2 Qe#30.2 Qe#31.2 Qe#32.2 Qe#33.2 Qe#34.2 Qe#35.2 Qe#36.2 Qe#37.2 Qe#38.2 Qe#39.2 Qe#40.2 R3.2 R3#2.2 R3#3.2 R3#4.2 R3#5.2 R3#6.2 R3#7.2 R3#8.2 R3#9.2 R3#10.2 R3#11.2 R3#12.2 R3#13.2 R3#14.2 R3#15.2 R3#16.2 R3#17.2 R3#18.2 R3#19.2 R3#20.2 R3#21.2 R3#22.2 R3#23.2 R3#24.2 R3#25.2 R3#26.2 R3#27.2 R3#28.2 R3#29.2 R3#30.2 R3#31.2 R3#32.2 R3#33.2 R3#34.2 R3#35.2 R3#36.2 R3#37.2 R3#38.2 R3#39.2 R3#40.2 R4.2 R4#2.2 R4#3.2 R4#4.2 R4#5.2 R4#6.2 R4#7.2 R4#8.2 R4#9.2 R4#10.2 R4#11.2 R4#12.2 R4#13.2 R4#14.2 R4#15.2 R4#16.2 R4#17.2 R4#18.2 R4#19.2 R4#20.2 R4#21.2 R4#22.2 R4#23.2 R4#24.2 R4#25.2 R4#26.2 R4#27.2 R4#28.2 R4#29.2 R4#30.2 R4#31.2 R4#32.2 R4#33.2 R4#34.2 R4#35.2 R4#36.2 R4#37.2 R4#38.2 R4#39.2 R4#40.2 U1.3 U1.21 U1#2.3 U1#2.21 U1#3.3 U1#3.21 U1#4.3 U1#4.21 U1#5.3 U1#5.21 U1#6.3 U1#6.21 U1#7.3 U1#7.21 U1#8.3 U1#8.21 U1#9.3 U1#9.21 U1#10.3 U1#10.21 U1#11.3 U1#11.21 U1#12.3 U1#12.21 U1#13.3 U1#13.21 U1#14.3 U1#14.21 U1#15.3 U1#15.21 U1#16.3 U1#16.21 U1#17.3 U1#17.21 U1#18.3 U1#18.21 U1#19.3 U1#19.21 U1#20.3 U1#20.21 U1#21.3 U1#21.21 U1#22.3 U1#22.21 U1#23.3 U1#23.21 U1#24.3 U1#24.21 U1#25.3 U1#25.21 U1#26.3 U1#26.21 U1#27.3 U1#27.21 U1#28.3 U1#28.21 U1#29.3 U1#29.21 U1#30.3 U1#30.21 U1#31.3 U1#31.21 U1#32.3 U1#32.21 U1#33.3 U1#33.21 U1#34.3 U1#34.21 U1#35.3 U1#35.21 U1#36.3 U1#36.21 U1#37.3 U1#37.21 U1#38.3 U1#38.21 U1#39.3 U1#39.21 U1#40.3 U1#40.21
ABC+: U1.6 U1#2.6 U1#3.6 U1#4.6 U1#5.6 U1#6.6 U1#7.6 U1#8.6 U1#9.6 U1#10.6 U1#11.6 U1#12.6 U1#13.6 U1#14.6 U1#15.6 U1#16.6 U1#17.6 U1#18.6 U1#19.6 U1#20.6 U1#21.6 U1#22.6 U1#23.6 U1#24.6 U1#25.6 U1#26.6 U1#27.6 U1#28.6 U1#29.6 U1#30.6 U1#31.6 U1#32.6 U1#33.6 U1#34.6 U1#35.6 U1#36.6 U1#37.6 U1#38.6 U1#39.6 U1#40.6
